# KiCad board main - copyOK.kicad_pcb (continued)
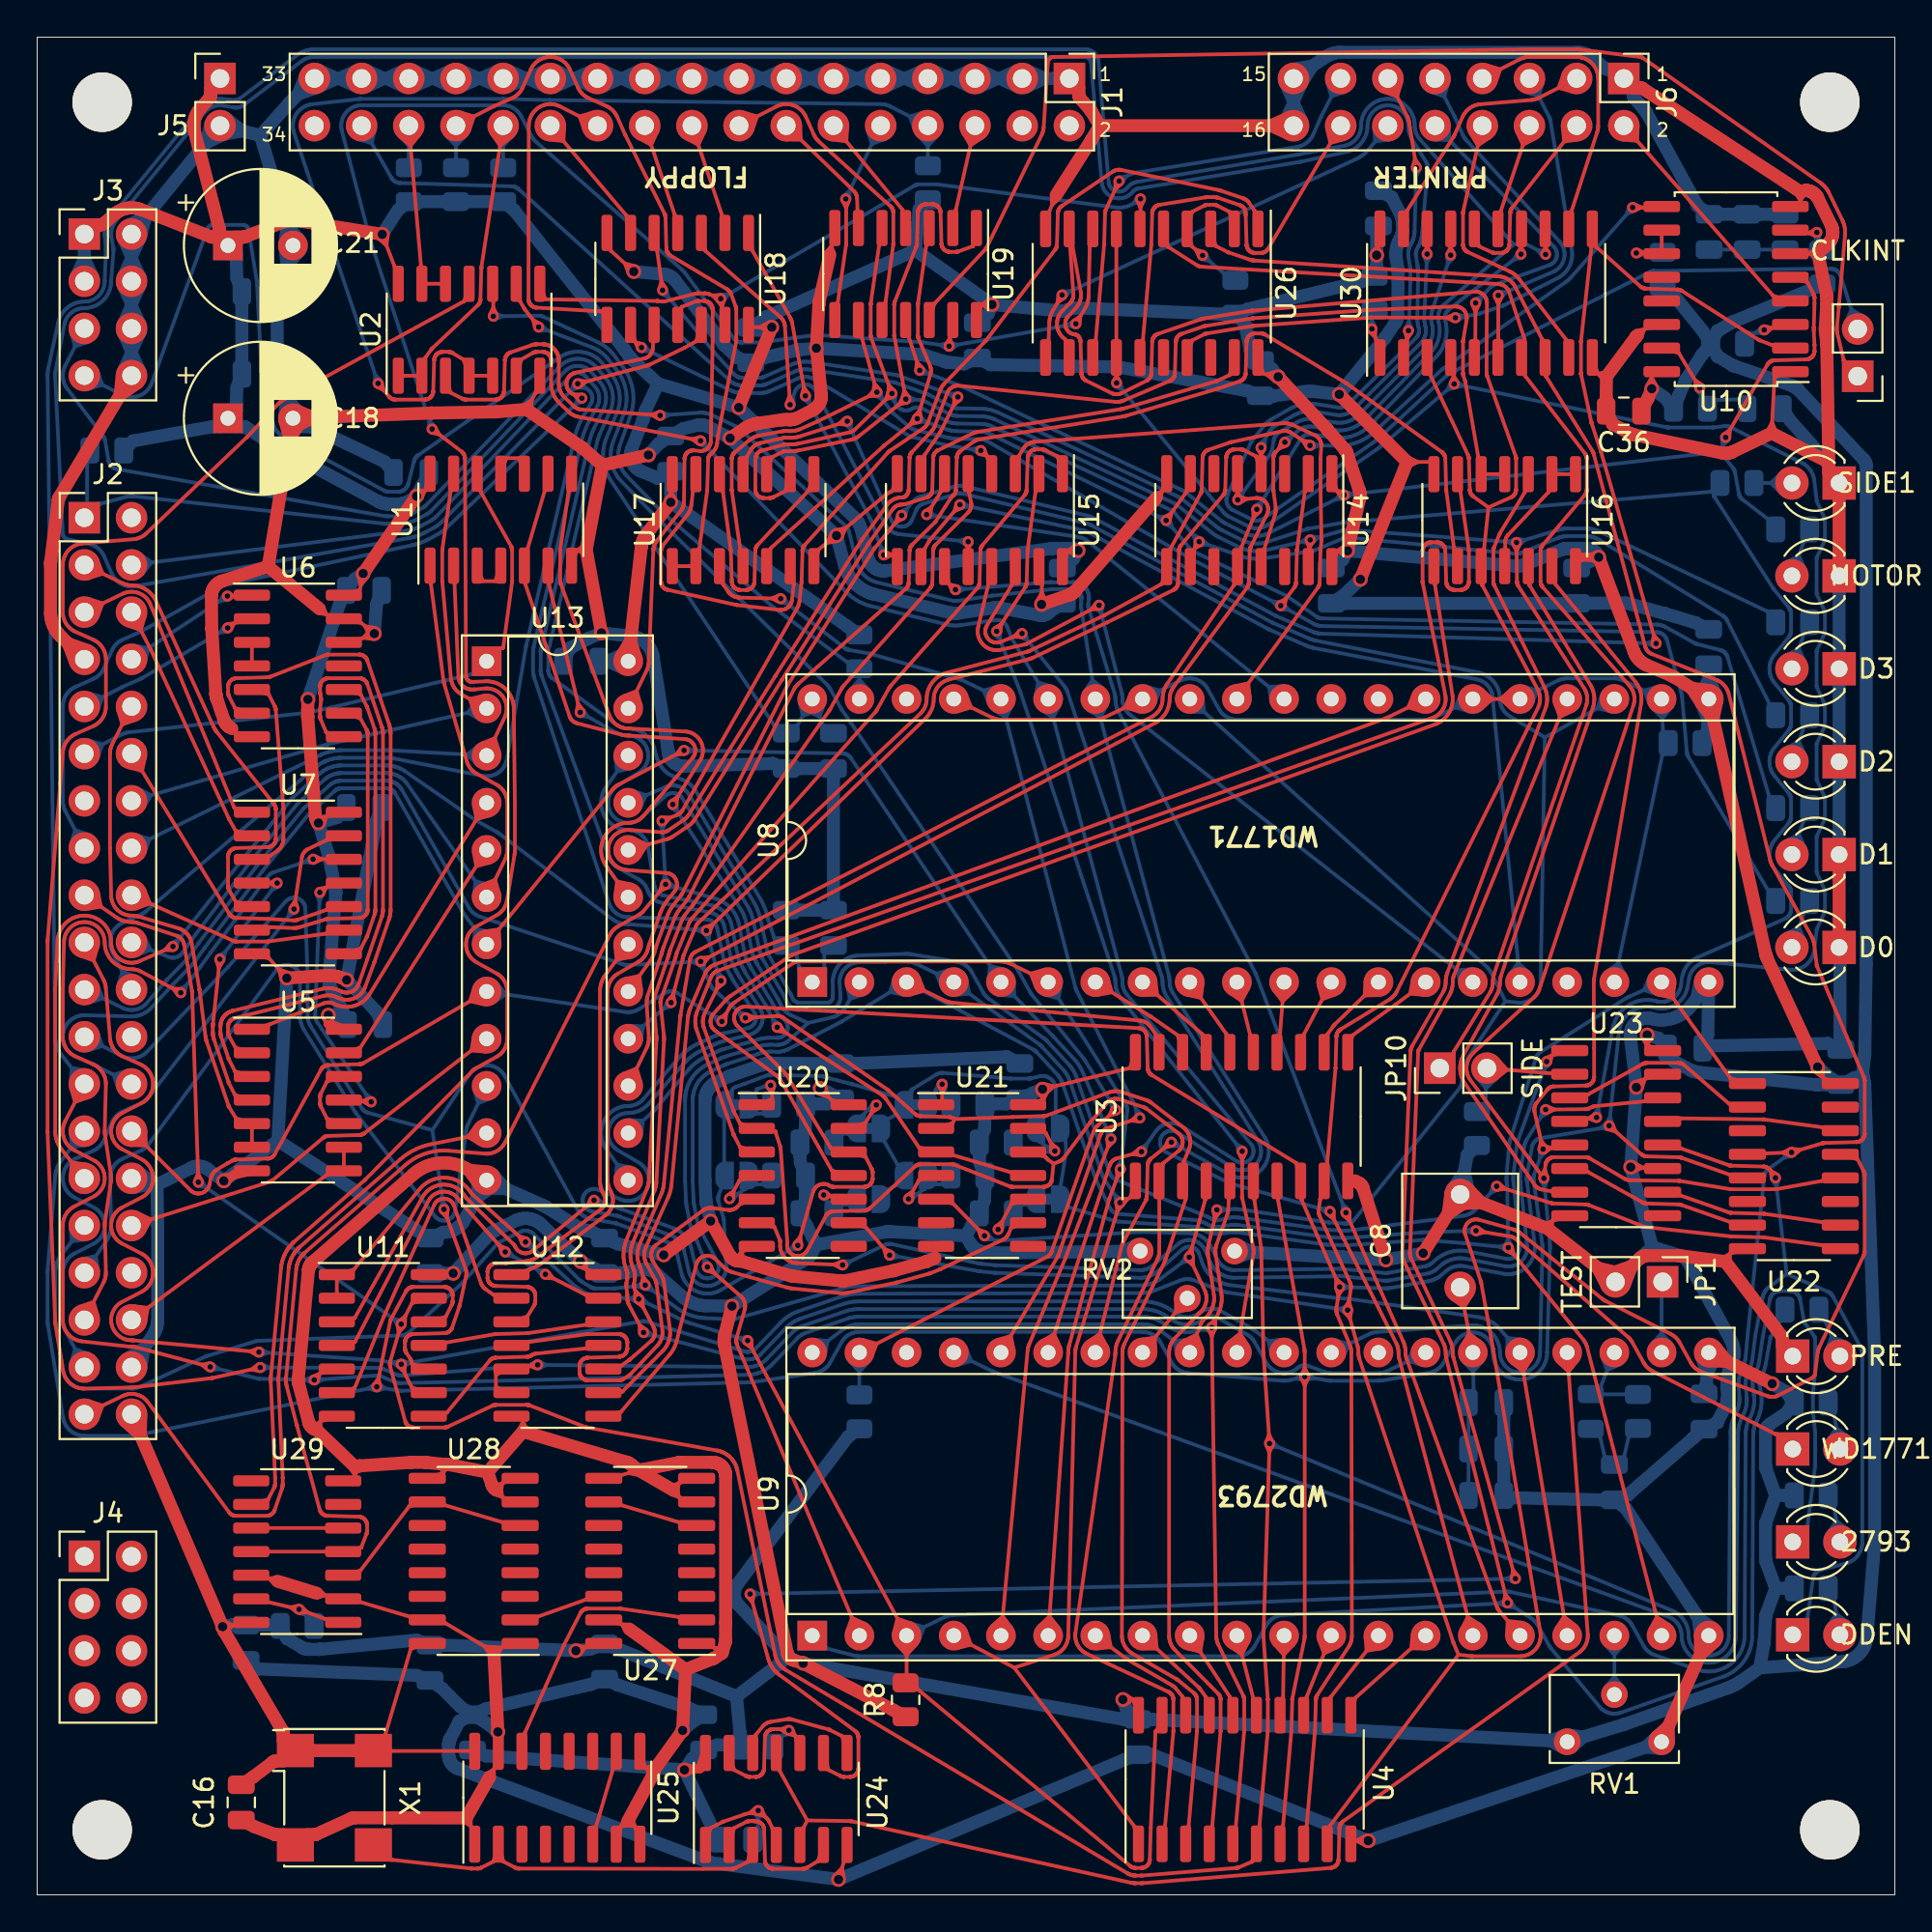
[diagram p0: board, top side]
## Routing (per net, layer and track width the routed paths; a pad name or vN(x,y) marks a point on that pad's centre or on a via; arc(x,y) is an arc through that point) (continued)
F_D7: length 312.4
  Top w0.2: 59.88,81.64 59.87,81.62 59.85,81.6 59.82,81.58 59.8,81.56 59.79,81.55 59.76,81.53 59.73,81.51 58.38,80.84 58.35,80.83 58.32,80.81 58.28,80.8 58.25,80.8 58.22,80.79 58.19,80.78 58.16,80.78 58.12,80.78 58.09,80.78 58.06,80.78 58.02,80.78 57.99,80.79 57.96,80.79 57.93,80.8 57.9,80.81 57.87,80.83 57.84,80.84 56.46,81.51 56.44,81.52 56.42,81.53 56.39,81.55 56.37,81.57 56.36,81.58 56.33,81.61 56.32,81.63 56.29,81.66 56.28,81.69 56.26,81.71 56.25,81.74 56.24,81.77 56.23,81.79 56.22,81.82 56.22,81.85 56.21,81.9 56.21,81.91 56.17,83.6 56.16,83.62 56.16,83.66 56.16,83.68 56.15,83.7 56.14,83.73 56.13,83.76 56.13,83.78 56.11,83.81 56.1,83.83 56.09,83.85 56.07,83.87 56.06,83.88 56.05,83.89 56.04,83.91 56.03,83.92 56.02,83.93 56.01,83.94 55.99,83.95 55.98,83.96 55.96,83.96 55.95,83.97 55.93,83.98 55.92,83.98 55.9,83.99 55.89,83.99 55.81,84.01 55.77,84.01 55.74,84.02 55.71,84.03 55.68,84.05 55.64,84.06 55.61,84.08 55.58,84.1 55.56,84.12 55.53,84.14 55.5,84.17 55.48,84.19 55.46,84.22 55.44,84.25 55.42,84.28 55.4,84.31 55.39,84.34 55.38,84.37 55.36,84.4 55.35,84.44 55.35,84.47 55.34,84.51 55.34,84.54 55.34,84.58 55.34,84.61 55.34,84.65 55.35,84.68 55.36,84.71 55.37,84.75 55.38,84.78 55.39,84.81 55.41,84.84 55.43,84.87 55.45,84.9 55.47,84.93 55.49,84.96 55.93,85.43 55.96,85.48 56,85.52 56.03,85.56 56.06,85.61 56.08,85.66 56.1,85.71 56.13,85.76 56.14,85.81 56.16,85.87 56.17,85.92 56.18,85.97 56.19,86.03 56.19,86.08 56.19,86.14 56.19,86.19 56.18,86.25 56.18,86.3 55.74,88.7 U26.9 55.61,88.79 55.61,88.69 55.61,88.69 55.78,86.16 55.78,86.13 55.78,86.1 55.78,86.07 55.78,86.03 55.77,86 55.76,85.97 55.75,85.94 55.74,85.91 55.73,85.88 55.72,85.85 55.7,85.82 55.68,85.79 55.66,85.76 55.64,85.74 55.62,85.71 55.6,85.69 55.2,85.29 55.16,85.25 55.12,85.2 55.08,85.16 55.05,85.11 55.02,85.05 55,85 54.97,84.95 54.95,84.89 54.93,84.84 54.92,84.78 54.91,84.72 54.9,84.66 54.9,84.6 54.9,84.54 54.9,84.48 54.91,84.42 54.92,84.37 54.93,84.31 54.95,84.25 54.97,84.2 54.99,84.14 55.02,84.09 55.05,84.04 55.08,83.99 55.12,83.94 55.16,83.89 55.2,83.85 55.24,83.81 55.28,83.77 55.34,83.73 55.34,83.73 U26.12 ; 59.88,81.64 59.9,81.67 59.92,81.7 59.93,81.71 59.94,81.74 59.95,81.77 59.96,81.79 59.97,81.82 59.97,81.85 59.97,81.86 59.98,81.91 60.02,83.6 60.03,83.65 60.03,83.67 60.04,83.7 60.05,83.73 60.06,83.76 60.07,83.8 60.09,83.82 60.1,83.85 60.12,83.88 60.14,83.9 60.16,83.92 60.18,83.94 60.2,83.96 60.24,83.98 60.26,84 60.31,84.02 60.33,84.03 62.62,84.81 62.66,84.82 62.71,84.83 62.73,84.84 62.75,84.84 62.79,84.85 62.82,84.86 65.29,85.26 65.33,85.27 65.38,85.27 65.42,85.28 77.38,86.3 77.42,86.3 77.45,86.3 77.49,86.3 77.52,86.3 77.56,86.29 77.6,86.28 77.63,86.27 77.66,86.26 77.7,86.24 77.73,86.22 77.76,86.21 77.79,86.19 77.82,86.16 77.85,86.14 77.87,86.11 77.9,86.09 77.92,86.06 77.94,86.03 77.96,86 77.98,85.97 77.99,85.93 78.01,85.9 78.02,85.87 78.03,85.83 78.03,85.8 78.04,85.76 78.04,85.72 78.04,85.69 78.02,83.6 78.02,81.92 78.03,81.89 78.03,81.85 78.03,81.83 78.04,81.81 78.05,81.77 78.05,81.76 79.58,77.46 79.59,77.43 79.6,77.4 79.61,77.37 79.61,77.35 79.61,77.31 79.61,77.3 79.61,75.65 79.61,75.62 79.61,75.59 79.6,75.56 79.6,75.54 79.59,75.51 79.58,75.48 79.57,75.47 79.56,75.44 79.54,75.41 79.53,75.4 79.52,75.38 ; v2(11.94,29.21) 5.22,29.85 5.19,29.85 5.16,29.85 5.13,29.85 5.11,29.85 5.08,29.85 5.01,29.86 4.94,29.86 4.88,29.87 4.81,29.89 4.75,29.91 4.68,29.93 4.62,29.95 4.56,29.99 4.5,30.02 4.44,30.06 4.39,30.1 4.34,30.14 4.29,30.19 4.24,30.24 4.2,30.29 4.16,30.35 4.13,30.41 4.1,30.47 4.07,30.53 4.04,30.59 4.02,30.66 4.01,30.72 3.99,30.79 3.99,30.86 3.98,30.93 3.98,30.99 3.99,31.06 4,31.13 4.01,31.2 4.03,31.26 4.05,31.33 4.08,31.39 4.1,31.45 4.14,31.51 4.17,31.57 4.21,31.62 4.26,31.67 4.3,31.72 4.35,31.77 4.41,31.81 4.46,31.85 4.52,31.89 4.58,31.92 5.61,32.46 5.67,32.49 5.73,32.53 5.79,32.57 5.84,32.62 5.9,32.67 5.94,32.72 5.99,32.77 6.03,32.83 6.07,32.89 6.11,32.95 6.14,33.01 6.16,33.08 6.19,33.14 6.21,33.21 6.22,33.28 6.23,33.35 6.24,33.42 6.24,33.49 6.24,33.56 6.23,33.63 6.22,33.7 6.21,33.77 6.19,33.84 6.16,33.9 6.14,33.97 6.11,34.03 6.07,34.09 6.03,34.15 5.99,34.21 5.94,34.26 5.9,34.31 5.84,34.36 5.79,34.41 5.73,34.45 5.67,34.49 5.61,34.52 4.58,35.06 4.52,35.09 4.46,35.12 4.41,35.16 4.36,35.21 4.31,35.25 4.26,35.3 4.22,35.35 4.18,35.4 4.14,35.46 4.11,35.52 4.08,35.58 4.06,35.64 4.03,35.7 4.02,35.77 4,35.83 3.99,35.9 3.99,35.96 3.98,36.03 3.99,36.1 3.99,36.16 4,36.23 4.02,36.29 4.03,36.36 4.06,36.42 4.08,36.48 4.11,36.54 4.14,36.6 4.18,36.66 4.22,36.71 4.26,36.76 4.31,36.81 4.36,36.85 4.41,36.9 4.46,36.94 4.52,36.97 4.58,37 5.61,37.54 5.67,37.57 5.73,37.61 5.79,37.65 5.84,37.7 5.9,37.75 5.94,37.8 5.99,37.85 6.03,37.91 6.07,37.97 6.11,38.03 6.14,38.09 6.16,38.16 6.19,38.22 6.21,38.29 6.22,38.36 6.23,38.43 6.24,38.5 6.24,38.57 6.24,38.64 6.23,38.71 6.22,38.78 6.21,38.85 6.19,38.92 6.16,38.98 6.14,39.05 6.11,39.11 6.07,39.17 6.03,39.23 5.99,39.29 5.94,39.34 5.9,39.39 5.84,39.44 5.79,39.49 5.73,39.53 5.67,39.57 5.61,39.6 4.58,40.14 4.52,40.17 4.46,40.2 4.41,40.24 4.36,40.29 4.31,40.33 4.26,40.38 4.22,40.43 4.18,40.48 4.14,40.54 4.11,40.6 4.08,40.66 4.06,40.72 4.03,40.78 4.02,40.85 4,40.91 3.99,40.98 3.99,41.04 3.98,41.11 3.99,41.18 3.99,41.24 4,41.31 4.02,41.37 4.03,41.44 4.06,41.5 4.08,41.56 4.11,41.62 4.14,41.68 4.18,41.74 4.22,41.79 4.26,41.84 4.31,41.89 4.36,41.93 4.41,41.98 4.46,42.02 4.52,42.05 4.58,42.08 5.61,42.62 5.67,42.65 5.73,42.69 5.79,42.73 5.84,42.78 5.9,42.83 5.94,42.88 5.99,42.93 6.03,42.99 6.07,43.05 6.11,43.11 6.14,43.17 6.16,43.24 6.19,43.3 6.21,43.37 6.22,43.44 6.23,43.51 6.24,43.58 6.24,43.65 6.24,43.72 6.23,43.79 6.22,43.86 6.21,43.93 6.19,43.99 6.16,44.06 6.14,44.13 6.11,44.19 6.07,44.25 6.03,44.31 5.99,44.37 5.95,44.42 5.9,44.47 5.85,44.52 5.79,44.57 5.74,44.61 5.68,44.64 5.62,44.68 5.55,44.71 4.61,45.13 4.55,45.16 4.5,45.19 4.44,45.22 4.39,45.25 4.34,45.29 4.3,45.33 4.25,45.38 4.21,45.42 4.17,45.47 4.13,45.52 4.1,45.57 4.07,45.62 4.04,45.68 4.01,45.73 3.99,45.79 3.97,45.85 3.95,45.91 3.94,45.97 3.93,46.03 3.92,46.09 3.7,48.83 3.69,48.88 3.68,48.93 3.67,48.98 3.66,49.02 3.65,49.07 3.63,49.12 3.61,49.17 3.59,49.21 3.57,49.26 J2.19 ; 70.39,31.35 70.67,31.01 70.74,31.45 ; 70.74,31.53 70.61,31.95 70.38,31.59 ; 19.46,28.42 19.78,28.12 19.8,28.55 ; U4.9 69.61,3.73 69.61,3.74 76.51,12.93 ; U11.9 20.17,27.31 20.17,27.31 19.85,27.94 19.83,27.99 19.83,27.99 v2(19.6,28.57) ; U30.3 75.01,81.77 75.01,81.77 77.02,77.51 77.04,77.47 77.05,77.45 77.05,77.43 77.06,77.4 77.07,77.37 77.07,77.35 77.07,77.31 77.12,75.64 77.12,75.6 77.13,75.57 77.13,75.54 77.14,75.51 77.15,75.48 77.17,75.44 77.18,75.42 77.2,75.4 77.22,75.37 77.23,75.35 77.25,75.33 77.27,75.31 77.29,75.29 77.3,75.28 ; 76.51,12.93 77.15,12.85 77.18,12.85 77.2,12.85 77.23,12.85 77.26,12.85 77.28,12.84 79.82,12.84 79.89,12.85 79.95,12.85 80.01,12.86 80.08,12.87 80.14,12.89 80.2,12.91 80.26,12.93 80.32,12.96 80.37,12.99 80.43,13.03 80.48,13.06 80.53,13.1 80.58,13.14 80.63,13.19 80.67,13.24 80.71,13.29 80.75,13.34 80.78,13.39 80.81,13.45 80.84,13.51 80.86,13.57 80.88,13.63 80.9,13.69 80.91,13.75 80.92,13.82 80.93,13.88 80.93,13.95 80.93,14.01 80.93,14.07 80.92,14.14 78.38,29.38 78.37,29.39 77.74,32.91 77.74,32.93 77.73,32.96 77.72,32.99 77.72,33.01 77.71,33.04 77.7,33.07 76.87,35.56 76.86,35.59 76.85,35.63 76.85,35.67 76.84,35.7 76.84,35.74 76.84,35.78 76.84,35.81 76.85,35.85 76.86,35.88 76.87,35.92 76.88,35.95 76.89,35.99 76.91,36.02 76.92,36.05 76.94,36.09 76.96,36.12 76.99,36.14 77.01,36.17 77.04,36.2 77.06,36.22 77.09,36.24 77.12,36.26 77.15,36.28 77.19,36.3 77.22,36.32 77.25,36.33 77.29,36.34 77.33,36.35 77.36,36.35 77.4,36.36 77.43,36.36 77.47,36.36 77.51,36.36 77.54,36.35 77.58,36.35 77.62,36.34 79.46,35.82 79.5,35.81 79.54,35.8 79.58,35.78 79.62,35.77 79.65,35.75 79.69,35.73 79.73,35.71 79.76,35.69 79.8,35.66 79.83,35.64 84.23,32.1 84.26,32.07 84.29,32.05 84.32,32.03 84.35,32.02 84.37,32 84.4,31.98 84.44,31.97 87.94,30.19 87.99,30.16 88.04,30.13 88.09,30.1 88.13,30.07 88.17,30.03 88.21,29.99 88.25,29.96 88.29,29.91 88.32,29.87 88.35,29.83 88.38,29.78 88.41,29.73 89.01,28.66 89.04,28.61 89.07,28.56 89.1,28.51 89.14,28.47 89.18,28.43 89.22,28.39 89.26,28.35 89.3,28.32 89.35,28.28 89.4,28.25 89.45,28.22 89.5,28.2 89.55,28.17 89.6,28.15 93.15,26.85 93.19,26.84 93.22,26.83 93.26,26.82 93.29,26.81 93.33,26.81 93.37,26.8 93.4,26.8 93.44,26.81 93.48,26.81 93.51,26.81 93.55,26.82 93.59,26.83 93.62,26.84 93.66,26.85 93.69,26.87 93.72,26.88 95.54,27.82 95.56,27.83 95.57,27.84 95.59,27.85 95.6,27.86 95.61,27.87 95.62,27.88 95.63,27.9 95.64,27.91 95.65,27.92 95.66,27.94 95.67,27.95 95.68,27.97 95.69,27.98 95.69,28 95.7,28.01 95.7,28.03 95.71,28.05 95.71,28.06 95.84,29.15 95.85,29.19 95.85,29.24 95.87,29.29 95.88,29.34 95.89,29.39 95.91,29.44 95.93,29.48 95.95,29.53 98.32,34.42 98.34,34.46 98.35,34.48 98.36,34.5 98.36,34.54 98.37,34.56 98.37,34.58 98.37,34.62 98.37,34.63 98.37,38.74 98.37,38.77 98.37,38.81 98.37,38.83 98.36,38.85 98.35,38.88 98.34,38.91 98.34,38.93 98.32,38.96 98,39.59 98,39.59 U22.13 ; 76.51,12.93 76.26,13.52 76.25,13.55 76.23,13.59 76.23,13.61 71.18,28.86 71.16,28.9 71.15,28.94 71.14,28.98 71.14,29.02 71.13,29.07 71.13,29.11 71.12,29.15 71.12,29.24 71.12,29.29 71.11,29.34 71.11,29.39 71.1,29.44 71.09,29.49 71.08,29.54 71.07,29.59 v2(70.54,31.48) 70.72,32.64 70.72,32.66 70.72,32.69 70.72,32.72 70.72,32.75 70.72,32.78 70.72,32.81 70.71,32.84 70.71,32.87 70.7,32.9 70.69,32.92 70.68,32.95 70.67,32.98 69.04,36.54 69.03,36.56 69.02,36.59 69.01,36.62 69,36.64 69,36.67 68.99,36.7 68.99,36.73 68.98,36.76 68.98,36.79 68.98,36.81 68.99,36.84 68.99,36.87 69.07,37.45 69.07,37.46 U3.9 69.44,39.42 69.89,44.49 69.89,44.51 69.94,46.2 69.94,46.25 69.95,46.28 69.95,46.3 69.96,46.34 69.97,46.36 69.99,46.4 70,46.43 70.02,46.45 70.04,46.48 70.05,46.5 70.08,46.52 70.1,46.54 70.12,46.56 70.16,46.59 70.16,46.59 72.78,48.19 72.82,48.21 72.87,48.24 72.91,48.28 72.95,48.31 72.98,48.35 73.02,48.38 73.05,48.42 73.09,48.46 73.12,48.51 73.15,48.55 73.17,48.59 73.2,48.64 80.79,63.89 80.81,63.94 80.83,64 80.85,64.05 80.87,64.11 80.88,64.16 80.89,64.22 80.9,64.27 80.9,64.33 80.9,64.39 80.9,64.45 80.89,64.5 80.89,64.56 80.87,64.61 80.86,64.67 80.84,64.72 80.82,64.78 80.8,64.83 80.78,64.88 77.79,70.5 77.78,70.52 77.78,70.54 77.78,70.55 77.78,70.65 U16.10 77.89,72.5 78.12,74.69 ; 78.12,74.69 79.33,75.23 79.36,75.24 79.39,75.26 79.4,75.27 79.43,75.29 79.45,75.3 79.47,75.32 79.49,75.34 79.51,75.36 79.52,75.37 ; 78.12,74.69 77.3,75.28 ; 3.26,51.06 3.04,50.3 2.29,50.56 ; 11.84,29.04 11.46,29.26 11.87,29.4
  Bottom w0.2: 19.65,28.76 20.07,28.65 19.71,28.4 ; 70.44,31.31 70.07,31.55 70.49,31.67 ; 12.03,29.39 12.42,29.18 12.01,29.03 ; v2(11.94,29.21) 18.38,28.77 18.41,28.77 18.44,28.77 18.47,28.76 18.5,28.76 18.53,28.76 v2(19.6,28.57) 32.54,30.87 32.56,30.88 32.59,30.88 32.61,30.88 32.64,30.88 32.67,30.88 32.69,30.88 32.72,30.88 32.74,30.87 32.77,30.87 32.8,30.86 32.82,30.86 38.07,29.25 38.1,29.25 38.13,29.24 38.17,29.23 38.2,29.23 38.23,29.23 38.27,29.23 38.3,29.23 38.33,29.23 38.37,29.24 38.4,29.25 38.43,29.26 38.46,29.27 38.49,29.28 38.52,29.29 38.55,29.31 38.58,29.33 38.61,29.35 38.64,29.37 38.66,29.39 38.69,29.41 40.04,30.82 40.11,30.89 40.18,30.96 40.26,31.02 40.34,31.08 40.42,31.14 40.51,31.2 40.6,31.25 40.69,31.29 40.78,31.34 40.87,31.38 40.97,31.41 43.24,32.19 43.36,32.23 43.49,32.26 43.61,32.29 43.74,32.31 43.87,32.33 44,32.34 44.12,32.35 44.25,32.36 59.38,32.4 59.47,32.4 59.57,32.4 59.66,32.41 59.75,32.43 59.84,32.44 59.93,32.47 60.02,32.49 60.11,32.52 60.2,32.55 61.54,33.08 61.59,33.09 61.64,33.11 61.69,33.12 61.74,33.13 61.79,33.14 61.84,33.14 61.89,33.15 61.94,33.15 61.99,33.14 62.04,33.14 62.09,33.13 62.14,33.12 62.19,33.11 62.24,33.09 62.29,33.08 63.63,32.55 63.7,32.53 63.77,32.5 63.84,32.48 63.91,32.46 63.98,32.45 64.05,32.43 64.13,32.42 v2(70.54,31.48) ; 19.49,28.4 19.13,28.65 19.55,28.76
FLOP: length 33.3
  Top w0.2: 34.86,62.21 34.9,62.21 34.93,62.21 34.97,62.2 35,62.19 35.04,62.18 35.07,62.16 35.1,62.15 35.13,62.13 35.17,62.11 35.19,62.09 35.22,62.06 35.25,62.04 35.27,62.01 35.3,61.99 35.32,61.96 35.34,61.93 35.36,61.89 35.37,61.86 35.39,61.83 35.4,61.79 35.41,61.76 35.42,61.72 35.43,61.69 35.43,61.65 35.43,61.61 35.43,61.58 35.43,61.54 35.42,61.51 35.42,61.47 35.41,61.43 35.39,61.4 35.38,61.37 35.37,61.33 35.35,61.3 35.33,61.27 35.31,61.24 35.29,61.21 32.64,58.09 32.6,58.05 32.56,58.01 32.52,57.97 32.48,57.94 32.44,57.9 32.39,57.87 32.34,57.84 32.3,57.82 32.25,57.79 32.19,57.77 32.14,57.76 32.09,57.74 32.04,57.73 31.98,57.72 31.93,57.71 31.87,57.71 31.82,57.71 31.73,57.7 31.64,57.7 31.55,57.68 31.47,57.66 31.38,57.64 31.3,57.61 31.21,57.58 31.14,57.54 31.06,57.49 30.98,57.45 30.91,57.39 30.84,57.34 30.78,57.28 30.72,57.21 30.66,57.14 30.61,57.07 30.56,57 30.52,56.92 30.48,56.84 30.45,56.76 30.42,56.67 30.4,56.59 30.38,56.5 30.37,56.41 30.36,56.33 30.36,56.24 30.36,56.15 30.37,56.06 30.38,55.97 30.4,55.89 30.43,55.8 30.45,55.72 30.49,55.64 30.53,55.56 30.57,55.48 30.62,55.41 U13.19 ; 27.5,76.5 27.31,75.53 26.42,72.52 U1.5 26.28,70.68 26.28,70.57 26.28,70.55 26.28,70.54 28.66,63.46 28.67,63.43 28.68,63.39 28.7,63.36 28.71,63.34 28.73,63.31 28.75,63.28 28.77,63.25 28.79,63.23 28.82,63.2 28.84,63.18 28.87,63.16 28.9,63.14 28.93,63.12 28.96,63.11 28.99,63.09 29.02,63.08 29.05,63.07 29.08,63.06 31.45,62.45 31.5,62.44 31.56,62.43 31.61,62.42 31.66,62.41 31.71,62.41 31.76,62.41 31.85,62.41 31.88,62.4 34.86,62.22 ; 31.12,53.79 31.22,54.56 31.97,54.39
FSIDE: length 130.2
  Top w0.2: 83.5,41.8 83.87,41.66 ; 83.5,41.8 83.83,42.02 ; 83.5,41.8 v2(83.94,41.85) ; 83.5,41.8 U23.4
  Bottom w0.2: 18.19,95.06 18.01,94.29 17.25,94.52 ; 83.78,41.96 84.03,42.32 84.14,41.9 ; 17.47,95.23 19.07,92.43 19.08,92.41 ; 25.54,91.97 19.55,92.15 ; v2(83.94,41.85) 84.81,46.62 84.83,46.73 84.86,46.84 84.9,46.95 84.94,47.05 84.99,47.15 85.04,47.25 85.1,47.34 85.17,47.43 85.24,47.52 85.31,47.6 85.39,47.68 85.48,47.75 85.57,47.82 85.66,47.88 85.75,47.94 85.85,47.99 85.96,48.04 86.06,48.08 86.17,48.11 86.28,48.13 86.39,48.15 86.5,48.17 86.61,48.17 86.72,48.17 86.83,48.17 86.94,48.15 87.05,48.13 87.16,48.11 87.22,48.09 87.29,48.08 87.35,48.07 87.41,48.07 87.47,48.07 87.54,48.08 87.6,48.08 87.66,48.09 87.72,48.11 87.78,48.13 87.84,48.15 87.9,48.18 87.96,48.2 88.01,48.24 88.06,48.27 88.11,48.31 88.16,48.35 88.21,48.4 88.25,48.44 88.29,48.49 88.33,48.54 88.36,48.6 88.39,48.65 88.42,48.71 88.44,48.77 88.46,48.83 88.48,48.89 88.49,48.95 88.5,49.01 88.53,49.3 88.54,49.38 88.56,49.46 88.58,49.54 88.6,49.61 88.63,49.69 88.66,49.76 88.7,49.83 88.74,49.9 88.78,49.97 88.83,50.03 88.88,50.09 88.94,50.15 88.99,50.21 89.05,50.26 89.12,50.31 89.18,50.36 89.25,50.4 89.32,50.44 89.39,50.47 94.06,52.53 94.11,52.56 94.14,52.57 94.15,52.58 94.2,52.61 94.22,52.63 94.23,52.64 94.27,52.68 94.29,52.7 94.3,52.71 94.33,52.75 94.34,52.78 94.35,52.79 94.37,52.84 94.38,52.87 94.39,52.88 94.4,52.93 94.4,52.96 94.41,52.98 94.41,53.03 94.41,53.05 94.41,53.95 94.41,53.98 94.41,54.03 94.4,54.06 94.4,54.07 94.38,54.12 94.37,54.15 94.37,54.17 94.34,54.21 94.33,54.24 94.32,54.25 94.29,54.3 94.28,54.31 93.52,55.23 93.48,55.29 93.44,55.34 93.41,55.4 93.37,55.47 93.35,55.53 93.32,55.59 93.3,55.66 93.28,55.73 93.27,55.79 93.26,55.86 93.25,55.93 93.25,56 93.25,56.07 93.26,56.14 93.27,56.21 93.28,56.27 93.3,56.34 93.32,56.41 93.35,56.47 93.37,56.53 93.41,56.6 93.44,56.66 93.48,56.71 93.52,56.77 94.28,57.69 94.3,57.71 94.33,57.75 94.34,57.78 94.35,57.79 94.37,57.84 94.38,57.87 94.39,57.88 94.4,57.93 94.4,57.96 94.41,57.98 94.41,58.03 94.41,58.05 94.41,58.95 94.41,58.98 94.41,59.03 94.4,59.06 94.4,59.07 94.38,59.12 94.37,59.15 94.37,59.17 94.34,59.21 94.33,59.24 94.32,59.25 94.29,59.3 94.28,59.31 93.52,60.23 93.48,60.29 93.44,60.34 93.41,60.4 93.37,60.47 93.35,60.53 93.32,60.59 93.3,60.66 93.28,60.73 93.27,60.79 93.26,60.86 93.25,60.93 93.25,61 93.25,61.07 93.26,61.14 93.27,61.21 93.28,61.27 93.3,61.34 93.32,61.41 93.35,61.47 93.37,61.53 93.41,61.6 93.44,61.66 93.48,61.71 93.52,61.77 94.28,62.69 94.3,62.71 94.33,62.75 94.34,62.78 94.35,62.79 94.37,62.84 94.38,62.87 94.39,62.88 94.4,62.93 94.4,62.96 94.41,62.98 94.41,63.03 94.41,63.05 94.41,63.95 94.41,63.98 94.41,64.03 94.4,64.06 94.4,64.07 94.38,64.12 94.37,64.15 94.37,64.17 94.34,64.21 94.33,64.24 94.32,64.25 94.29,64.3 94.28,64.31 93.52,65.23 93.48,65.29 93.44,65.34 93.41,65.4 93.37,65.47 93.35,65.53 93.32,65.59 93.3,65.66 93.28,65.73 93.27,65.79 93.26,65.86 93.25,65.93 93.25,66 93.25,66.07 93.26,66.14 93.27,66.21 93.28,66.27 93.3,66.34 93.32,66.41 93.35,66.47 93.37,66.53 93.41,66.6 93.44,66.66 93.48,66.71 93.52,66.77 94.28,67.69 94.3,67.71 94.33,67.75 94.34,67.78 94.35,67.79 94.37,67.84 94.38,67.87 94.39,67.88 94.4,67.93 94.4,67.96 94.41,67.98 94.41,68.03 94.41,68.05 94.41,68.95 94.41,68.98 94.41,69.03 94.4,69.06 94.4,69.07 94.38,69.12 94.37,69.15 94.37,69.17 94.34,69.21 94.33,69.24 94.32,69.25 94.29,69.3 94.28,69.31 93.52,70.23 93.51,70.25 93.49,70.28 93.47,70.3 93.46,70.32 93.44,70.35 90.26,75.29 90.26,75.31 R32.1 90.08,75.53 70.41,73.88 70.38,73.88 70.35,73.87 70.33,73.87 70.3,73.87 70.27,73.86 68.42,73.54 68.39,73.53 68.36,73.53 68.34,73.52 66.22,72.83 66.13,72.81 66.04,72.78 65.95,72.77 65.85,72.75 65.76,72.75 65.66,72.74 65.57,72.74 65.47,72.75 65.38,72.76 65.29,72.78 65.19,72.8 65.1,72.83 65.01,72.86 64.93,72.89 64.84,72.93 63.81,73.44 63.76,73.47 63.71,73.49 63.66,73.52 63.61,73.55 63.57,73.59 63.52,73.62 63.48,73.65 61.67,75.1 61.63,75.13 61.59,75.16 61.55,75.19 61.51,75.21 61.47,75.24 61.42,75.26 61.38,75.28 51.75,79.79 51.66,79.82 51.58,79.86 51.49,79.89 51.4,79.92 51.31,79.94 51.21,79.96 51.12,79.97 51.03,79.99 50.93,79.99 50.84,80 49.55,80.02 49.52,80.02 49.49,80.02 49.47,80.03 49.44,80.03 49.41,80.04 49.39,80.05 49.36,80.05 49.33,80.06 49.31,80.08 49.28,80.09 48.03,80.73 48,80.75 47.96,80.76 47.93,80.78 47.89,80.79 47.86,80.81 46.22,81.4 46.2,81.4 46.18,81.41 46.16,81.41 46.14,81.42 46.12,81.42 46.1,81.42 41.57,82.11 41.5,82.11 41.43,82.12 41.37,82.12 41.3,82.12 41.23,82.12 41.16,82.11 41.1,82.1 41.03,82.08 40.97,82.07 40.9,82.05 40.84,82.02 40.77,82 39.27,81.33 39.24,81.32 39.2,81.3 39.17,81.29 39.12,81.28 39.1,81.28 39.08,81.27 39.06,81.27 39.04,81.26 39.02,81.26 39,81.26 38.95,81.25 38.91,81.25 38.9,81.25 37.95,81.25 37.91,81.25 37.88,81.26 37.84,81.26 37.82,81.26 37.8,81.26 37.78,81.27 37.76,81.27 37.74,81.28 37.72,81.28 37.67,81.29 37.65,81.3 37.63,81.3 37.61,81.31 37.59,81.32 37.57,81.33 37.55,81.34 37.52,81.35 37.5,81.36 37.48,81.37 37.46,81.38 37.44,81.39 37.42,81.41 37.41,81.42 37.37,81.44 37.34,81.46 37.31,81.49 37.3,81.5 25.9,91.83 25.88,91.85 25.83,91.89 25.81,91.9 25.79,91.91 25.74,91.93 25.72,91.94 25.7,91.95 25.65,91.96 25.62,91.96 25.61,91.97 25.55,91.97 25.54,91.97 ; 19.08,92.41 19.11,92.36 19.13,92.34 19.14,92.33 19.18,92.29 19.2,92.27 19.22,92.26 19.26,92.23 19.28,92.22 19.3,92.21 19.35,92.19 19.37,92.18 19.39,92.17 19.44,92.16 19.47,92.16 19.48,92.15 19.54,92.15 19.55,92.15
INTCLK: length 144.4
  Top w0.2: v2(55.91,84.57) 56.4,85.39 56.43,85.45 56.46,85.51 56.49,85.57 56.52,85.63 56.54,85.7 56.56,85.76 56.57,85.82 56.58,85.89 56.59,85.96 56.6,86.02 56.6,86.09 56.66,88.69 U26.8 ; 21.21,78.71 21.64,78.62 21.44,79 ; 49.13,83.8 49.28,83.44 ; 49.13,83.8 v2(49.09,83.36) ; 49.13,83.8 48.92,83.47 ; 49.13,83.8 U19.13 ; 55.8,84.73 56.16,84.98 56.11,84.55 ; U29.9 12.44,21.29 12.44,21.29 12.76,21.92 12.78,21.96 12.79,21.99 12.79,22 12.8,22.04 12.81,22.06 12.81,22.08 12.81,22.13 12.81,22.14 12.81,22.44 12.81,22.45 12.58,27.61 12.57,27.66 12.57,27.72 12.57,27.77 12.58,27.83 12.58,27.88 12.58,27.93 13.13,33.75 13.13,33.81 13.14,33.87 13.15,33.92 13.16,33.98 13.17,34.03 13.19,34.09 13.2,34.12 13.21,34.17 13.23,34.23 13.25,34.28 13.27,34.34 13.29,34.39 13.31,34.44 13.33,34.48 13.36,34.53 13.38,34.58 13.41,34.63 13.44,34.68 13.47,34.73 13.5,34.78 13.53,34.81 13.56,34.86 13.6,34.9 13.63,34.95 13.67,34.99 13.7,35.03 13.77,35.09 13.8,35.12 13.82,35.15 13.85,35.17 13.87,35.19 17.64,38.47 17.65,38.49 17.67,38.51 23.41,44.33 23.43,44.35 23.46,44.38 23.49,44.41 23.52,44.43 23.56,44.45 23.59,44.48 23.62,44.5 23.66,44.52 24.74,45.12 24.79,45.15 24.84,45.18 24.89,45.22 24.94,45.26 24.98,45.3 25.02,45.35 25.06,45.4 25.1,45.44 25.14,45.5 25.17,45.55 25.2,45.61 25.22,45.66 25.24,45.72 25.26,45.78 25.28,45.84 25.29,45.9 25.3,45.96 25.3,46.02 25.31,46.09 25.31,48.63 25.3,48.69 25.3,48.75 25.29,48.81 25.28,48.87 25.26,48.93 25.24,48.99 25.22,49.05 25.2,49.11 25.17,49.16 25.14,49.22 25.1,49.27 25.06,49.32 25.02,49.36 24.98,49.41 24.94,49.45 24.89,49.49 24.84,49.53 24.79,49.56 24.74,49.6 23.66,50.2 23.6,50.23 23.54,50.27 23.49,50.31 23.44,50.35 23.39,50.4 23.35,50.45 23.3,50.5 23.27,50.56 23.23,50.62 23.2,50.68 23.17,50.74 23.15,50.8 23.13,50.87 23.11,50.93 23.1,51 23.09,51.06 23.09,51.13 23.09,51.2 23.09,51.27 23.1,51.33 23.11,51.4 23.13,51.47 23.15,51.53 23.17,51.59 23.2,51.65 23.23,51.71 23.27,51.77 23.3,51.83 23.35,51.88 23.39,51.93 23.44,51.98 23.49,52.02 23.54,52.06 23.6,52.1 23.66,52.14 24.74,52.74 24.79,52.77 24.83,52.8 24.88,52.83 24.93,52.87 24.97,52.91 25.01,52.95 25.05,53 25.09,53.04 25.12,53.09 25.15,53.14 25.18,53.19 25.21,53.25 25.23,53.3 25.25,53.36 25.27,53.41 25.28,53.47 25.29,53.53 25.7,56 25.7,56.04 25.71,56.08 25.71,56.12 25.71,56.16 25.72,56.2 25.72,56.25 25.72,58.79 25.72,58.8 25.66,63.88 25.65,63.97 25.64,64.05 25.63,64.13 25.61,64.21 25.59,64.3 25.56,64.37 25.53,64.45 25.5,64.53 25.46,64.6 25.41,64.67 25.37,64.74 25.31,64.81 25.26,64.87 25.2,64.93 25.14,64.98 25.07,65.04 25,65.08 24.93,65.13 24.86,65.17 24.78,65.2 24.7,65.23 24.62,65.26 24.54,65.28 24.46,65.3 24.38,65.31 24.3,65.32 24.21,65.33 24.13,65.32 23.51,65.3 23.5,65.3 23.4,65.3 23.38,65.3 23.36,65.3 23.34,65.3 23.32,65.3 23.31,65.31 23.29,65.31 23.27,65.32 23.26,65.33 23.24,65.34 23.23,65.35 23.21,65.36 23.2,65.37 23.18,65.38 23.17,65.39 23.16,65.41 23.15,65.42 23.14,65.43 23.13,65.45 23.12,65.47 23.11,65.48 23.1,65.5 23.1,65.52 23.09,65.53 23.09,65.55 23.09,65.57 23.09,65.59 23.09,65.6 23.03,77.33 23.03,77.35 23.02,77.39 23.02,77.41 23.02,77.43 23.01,77.47 23,77.49 22.99,77.51 22.98,77.54 22.96,77.56 22.95,77.58 22.93,77.61 22.91,77.63 22.9,77.64 22.88,77.67 22.86,77.68 22.85,77.69 v2(21.26,78.91)
  Bottom w0.2: 55.86,84.38 55.44,84.49 55.8,84.73 ; 49.2,83.2 49.56,83.45 49.14,83.56 ; 21.41,79.04 21.11,79.36 21.06,78.93 ; v2(21.26,78.91) 17.9,89.16 17.89,89.2 17.89,89.21 16.4,94.96 16.39,95.02 16.38,95.09 16.37,95.15 16.37,95.22 16.37,95.28 16.37,95.34 16.38,95.41 16.39,95.47 16.41,95.53 16.43,95.6 16.45,95.66 16.48,95.72 16.51,95.77 16.54,95.83 16.58,95.88 16.62,95.93 16.66,95.98 16.71,96.03 16.75,96.07 16.8,96.11 16.86,96.15 16.91,96.18 16.97,96.21 17.03,96.24 17.09,96.26 17.15,96.28 17.21,96.3 17.27,96.31 17.34,96.32 17.4,96.33 17.47,96.33 25.09,96.33 25.14,96.33 25.2,96.33 25.26,96.32 25.32,96.31 25.38,96.29 25.44,96.27 25.49,96.25 25.55,96.23 25.6,96.2 25.66,96.17 25.71,96.14 25.75,96.1 25.8,96.07 25.85,96.03 25.89,95.98 25.93,95.94 25.96,95.89 26,95.84 26.03,95.79 26.06,95.74 26.59,94.7 26.62,94.66 26.64,94.62 26.67,94.58 26.7,94.54 26.73,94.5 26.76,94.46 26.79,94.43 26.82,94.39 26.86,94.36 34.67,87.52 34.7,87.49 34.74,87.46 34.77,87.43 34.8,87.39 34.83,87.36 34.86,87.32 34.89,87.29 37.5,83.78 37.52,83.75 37.53,83.74 37.57,83.71 37.59,83.69 37.61,83.68 37.65,83.65 37.67,83.63 37.69,83.63 37.74,83.6 37.76,83.59 37.78,83.59 ; v2(55.91,84.57) 50.04,83.53 v2(49.09,83.36) 47.73,83.56 47.68,83.57 47.64,83.57 47.61,83.58 41.99,83.97 41.97,83.97 41.95,83.97 41.93,83.97 41.91,83.97 41.89,83.97 41.87,83.96 41.85,83.96 38.98,83.57 38.97,83.57 38.91,83.56 38.9,83.56 37.95,83.56 37.92,83.56 37.86,83.57 37.84,83.57 37.82,83.58 37.78,83.59 ; 49.03,83.55 48.62,83.43 48.98,83.19
INTFLOP: length 42.1
  Top w0.2: 36.65,85.78 36.35,86.1 36.79,86.12 ; 36.86,85.49 36.99,85.86 ; 36.86,85.49 36.63,85.81 ; 36.86,85.49 37.02,84.51 ; 36.86,85.49 v2(36.8,85.92) 36.22,86.15 36.19,86.16 36.16,86.17 36.12,86.18 36.1,86.19 36.08,86.19 36.06,86.2 36.04,86.2 36.02,86.2 35.96,86.21 35.93,86.21 35.9,86.21 35.6,86.21 35.57,86.21 35.52,86.2 35.49,86.2 35.46,86.2 35.42,86.19 35.4,86.18 33.82,85.79 33.79,85.78 33.77,85.78 33.74,85.77 33.72,85.77 33.69,85.77 33.67,85.77 33.64,85.77 33.62,85.77 33.59,85.77 33.42,85.79 33.37,85.8 33.37,85.8 27.36,85.89 U2.8 ; 59.57,91.21 59.39,90.82 59.21,91.21 ; v2(59.39,91.3) 59.39,90.57 U26.6
  Bottom w0.2: 59.02,91.05 58.95,91.02 58.89,90.98 58.83,90.95 58.76,90.92 58.69,90.9 58.62,90.88 58.56,90.86 58.48,90.85 58.41,90.83 58.34,90.83 58.27,90.82 58.2,90.82 58.13,90.83 58.06,90.84 48.48,92.07 48.41,92.07 48.39,92.07 47.5,92.07 47.47,92.07 47.41,92.07 47.39,92.06 47.35,92.05 47.32,92.05 47.3,92.04 47.28,92.03 47.23,92.01 47.21,92 v2(36.8,85.92) ; 59.02,91.05 59.41,91.1 ; 59.02,91.05 59.22,91.4 ; 59.02,91.05 v2(59.39,91.3) ; 36.96,85.81 37.21,86.17 36.78,86.12
M1PRE: length 65.8
  Top w0.2: U16.13 81.73,70.56 81.73,70.55 86.03,65.3 86.08,65.24 86.12,65.17 86.16,65.11 86.2,65.04 86.24,64.97 86.27,64.9 86.29,64.82 86.31,64.75 86.33,64.67 86.35,64.59 86.36,64.52 86.36,64.44 86.36,64.36 86.36,64.28 86.35,64.21 86.34,64.13 83.81,49.32 83.8,49.29 83.8,49.26 83.8,49.22 83.79,49.19 83.79,49.16 83.79,49.13 83.81,45.6 83.81,44.03 83.81,44 83.81,43.96 83.8,43.94 83.8,43.92 83.79,43.88 83.78,43.86 83.77,43.84 83.76,43.81 83.74,43.79 83.73,43.77 83.71,43.74 83.7,43.72 83.68,43.71 83.66,43.68 83.64,43.67 83.62,43.66 83.6,43.64 83.57,43.62 83.56,43.61 83.52,43.6 83.5,43.59 83.48,43.58 83.45,43.57 83.42,43.57 83.4,43.57 83.36,43.56 81.64,43.52 81.6,43.51 81.57,43.51 81.54,43.5 81.51,43.49 81.48,43.48 81.44,43.47 81.42,43.45 81.4,43.44 81.37,43.42 81.35,43.4 81.32,43.38 81.3,43.35 81.29,43.35 80.73,42.66 80.71,42.63 80.69,42.6 80.67,42.58 80.66,42.55 80.64,42.52 80.63,42.49 80.62,42.46 80.61,42.42 80.6,42.39 80.6,42.36 80.59,42.33 80.59,42.3 80.59,42.26 80.59,42.23 80.6,42.2 80.6,42.17 80.61,42.13 v2(81.06,40.14) 81.5,40.2 ; 80.87,40.18 80.96,40.61 81.22,40.26 ; 81.5,40.2 81.13,40.33 ; 81.5,40.2 U23.5 ; 81.5,40.2 81.18,39.98